# Altium PCB GL3520 4 Ports.PcbDoc
Units mm, origin at the board's own origin, x right, y up, seen from the top; angles counter-clockwise.
Board outline 60 x 60 mm, 2 copper layers (Top Layer, Bottom Layer), stack 1.569 mm thick; 60 components, 68 nets, 276 pads, 710 vias.
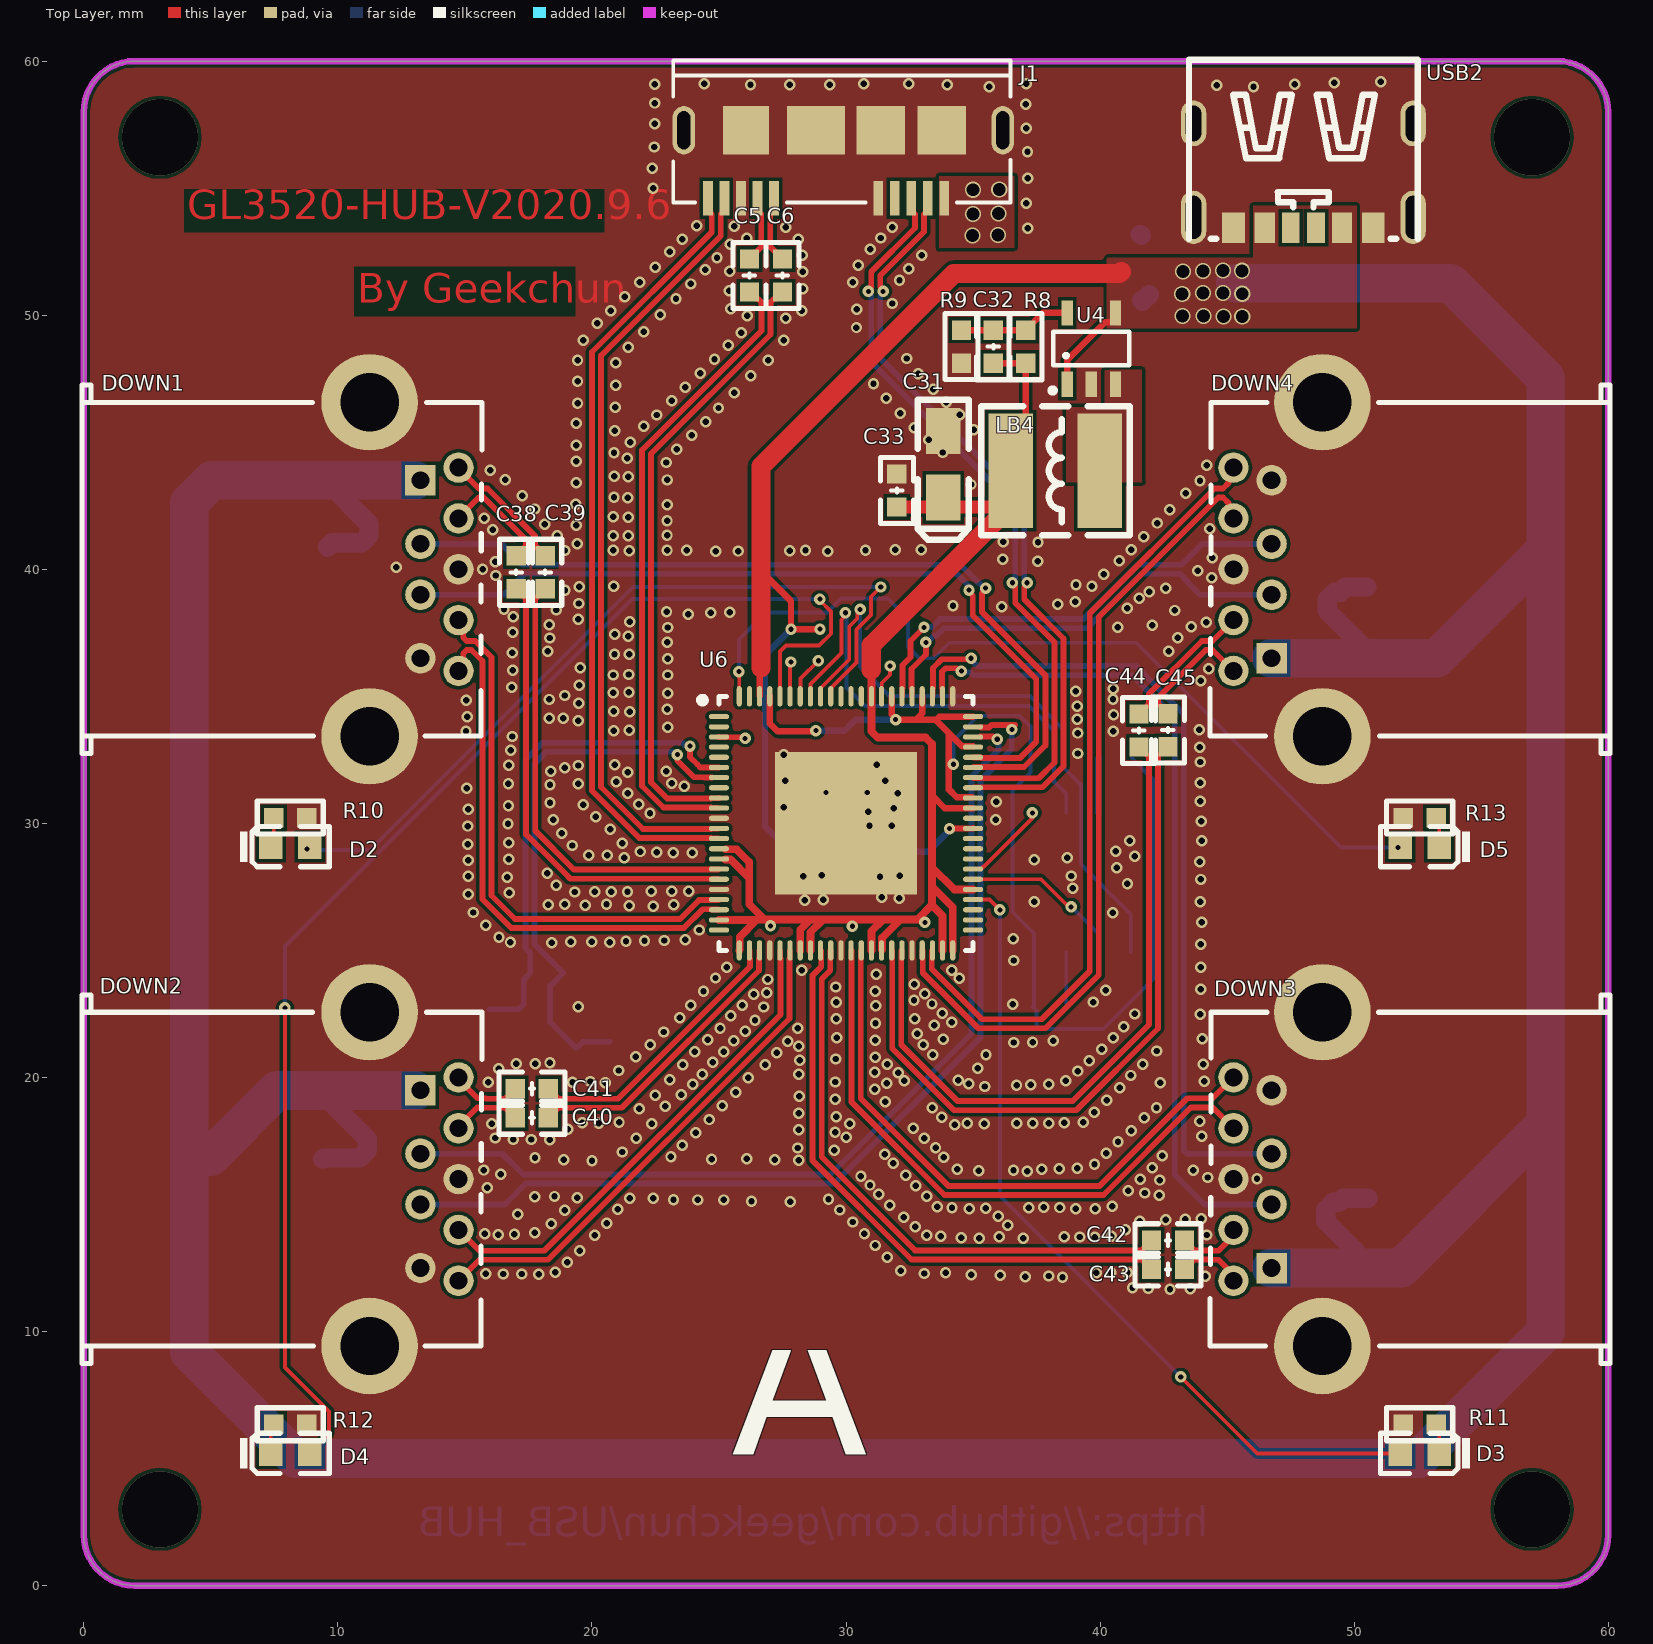
[diagram p0: Top Layer view]
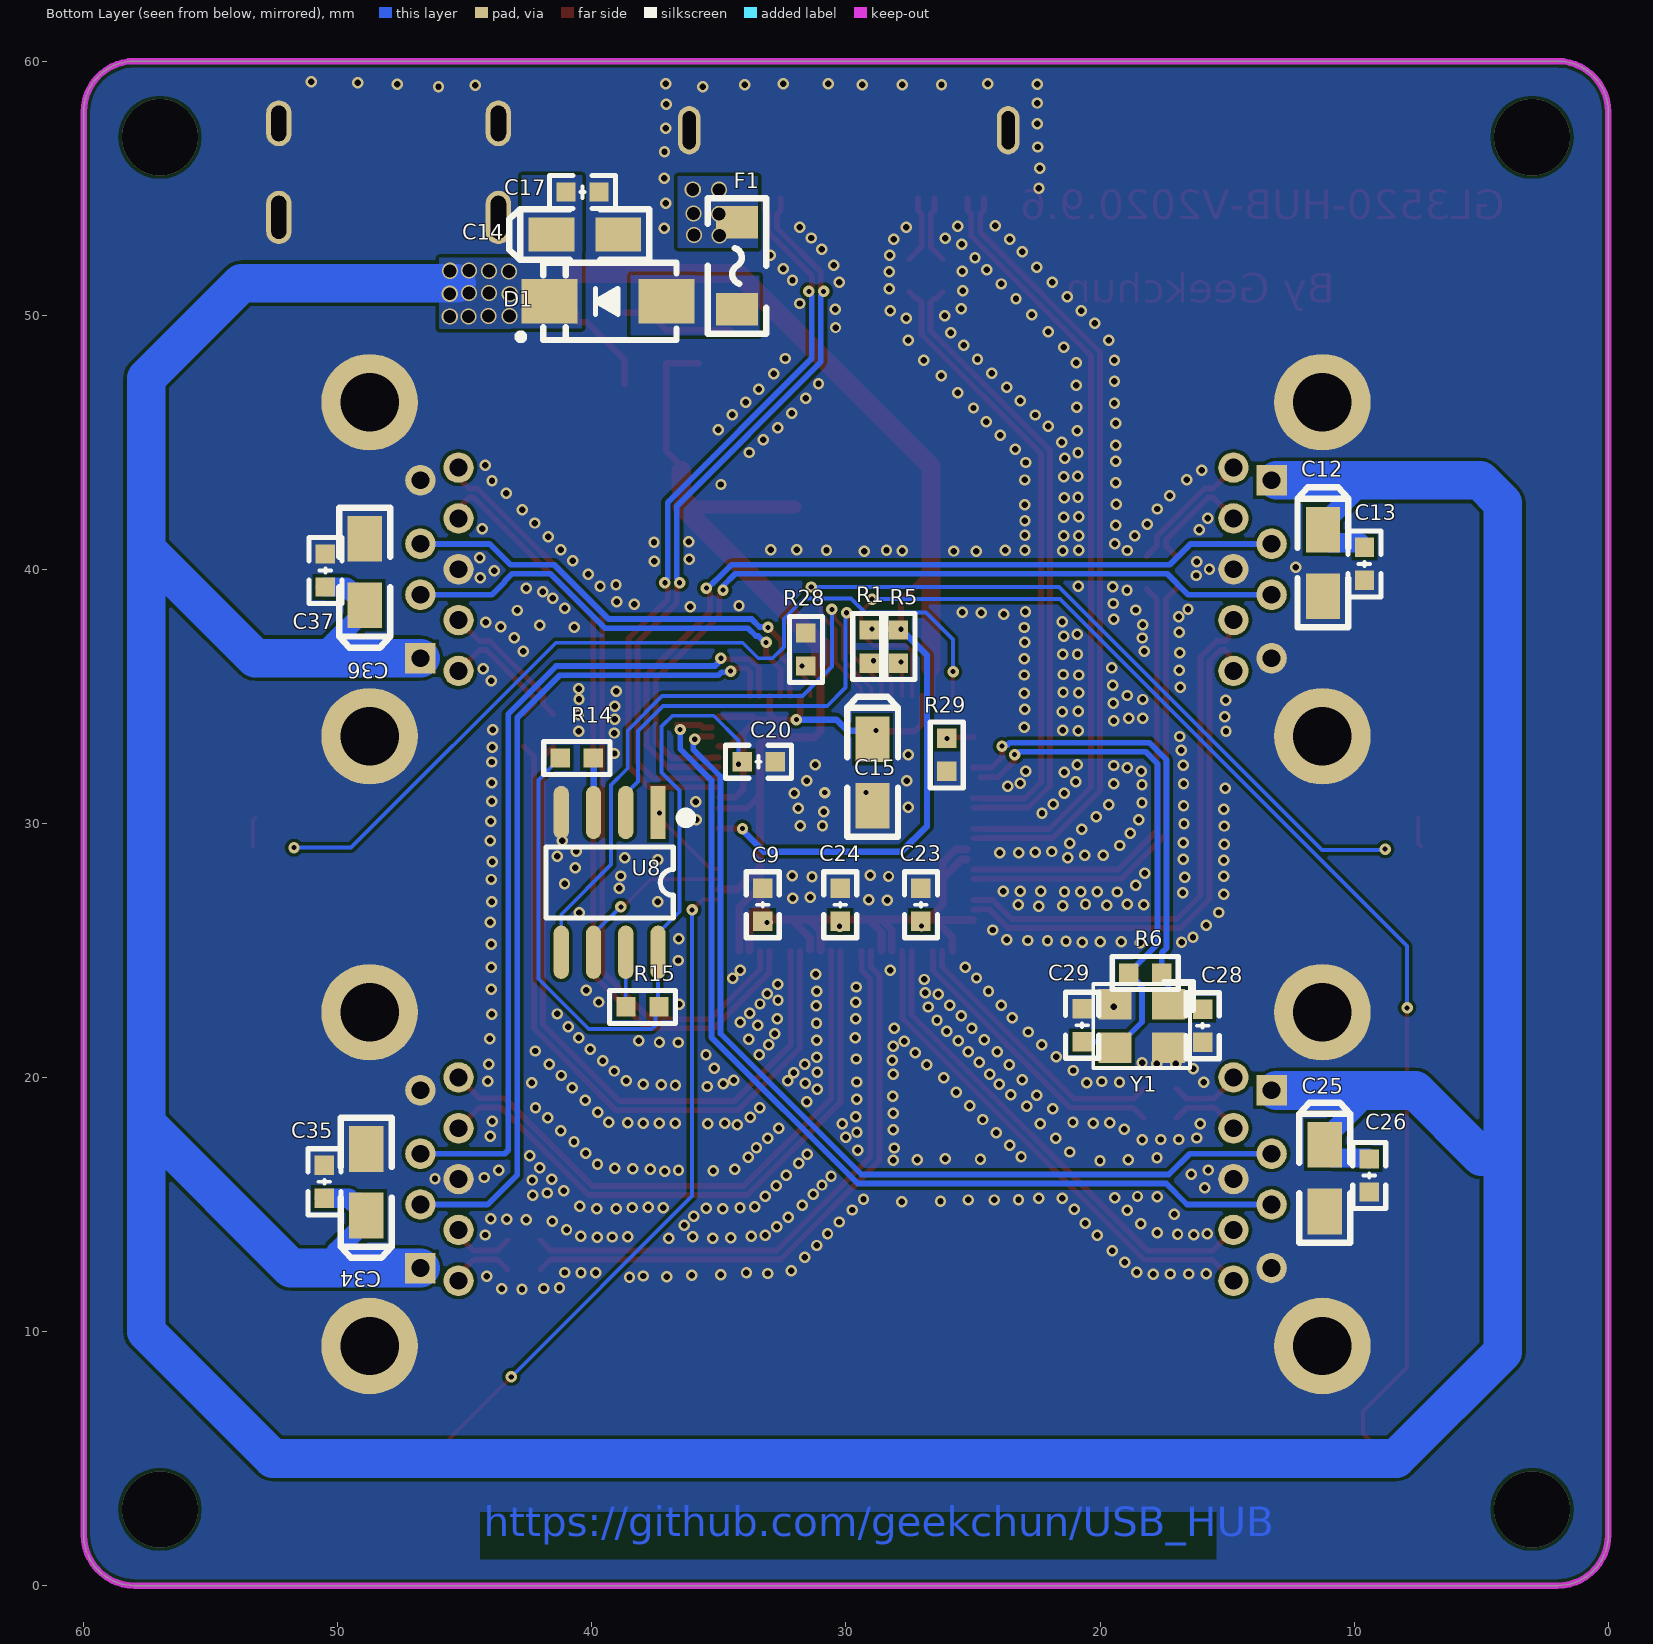
[diagram p1: Bottom Layer view, seen from below]
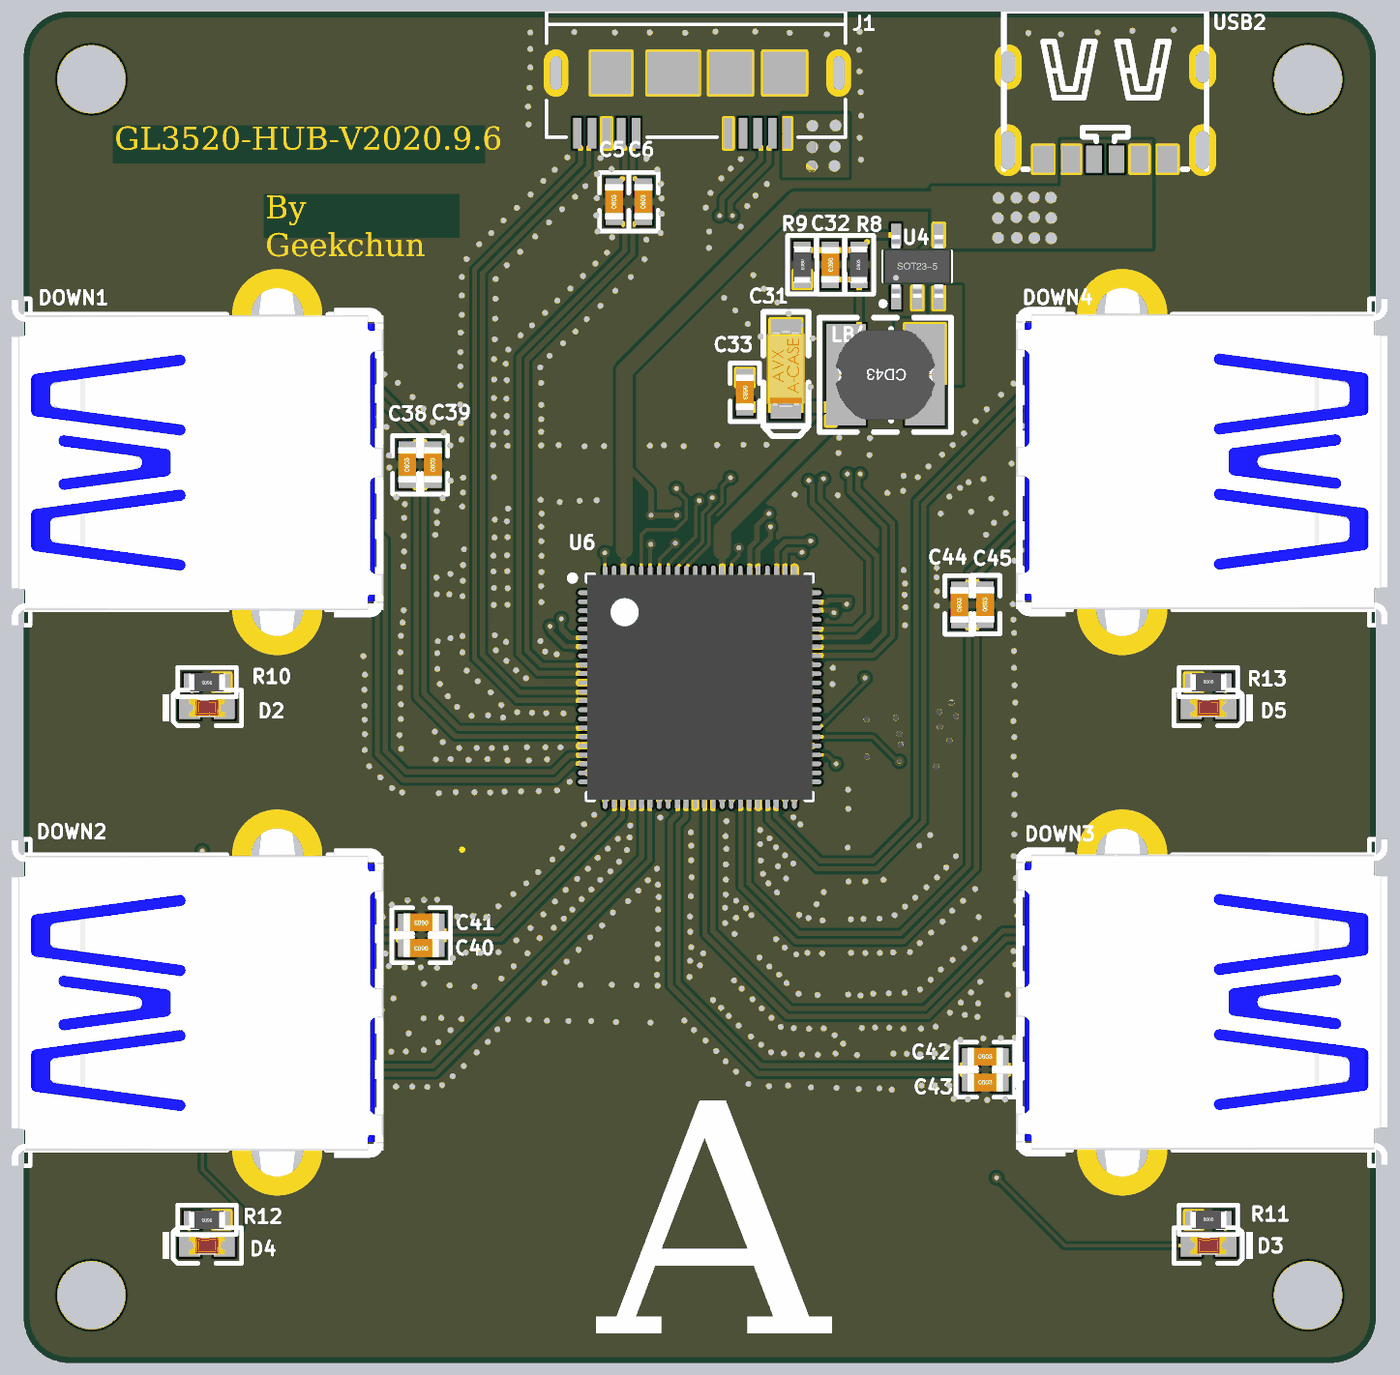
[diagram p2: 3D render of the assembled board from above, using the file's embedded part models]
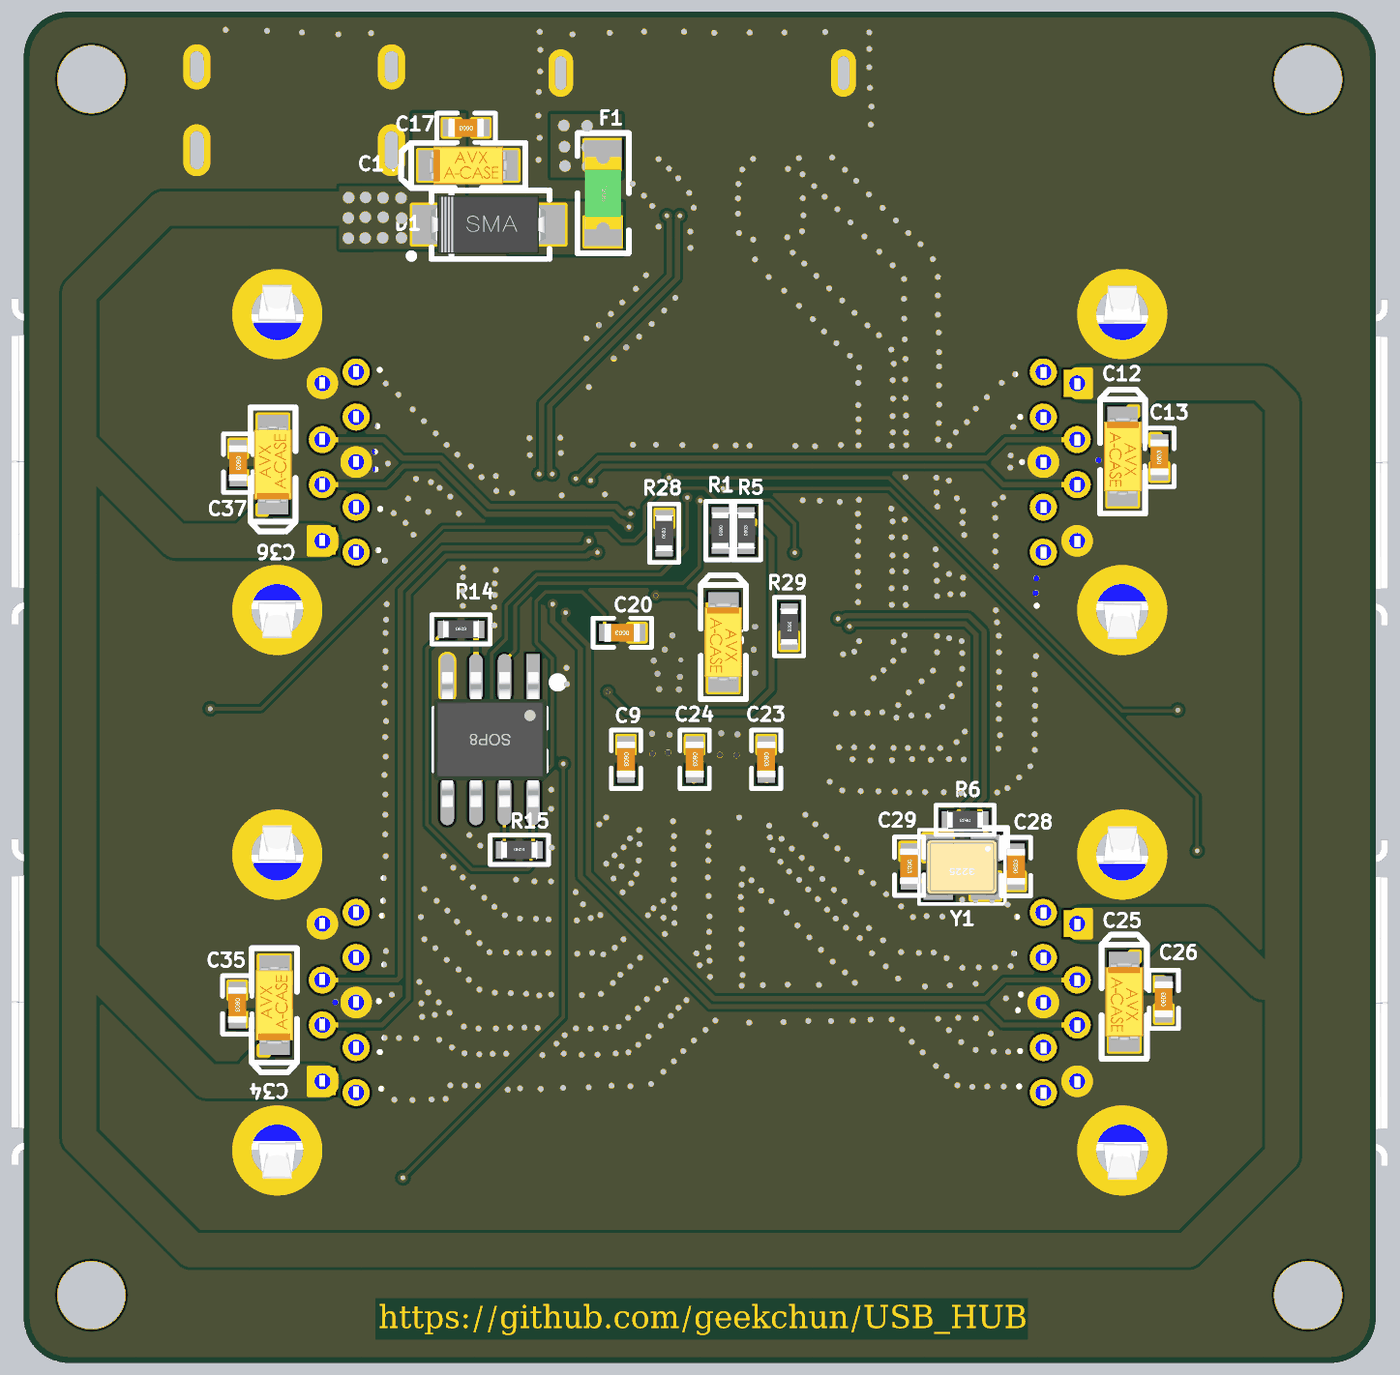
[diagram p3: 3D render of the assembled board from below, using the file's embedded part models]

## Layer stack, top to bottom
Top Solder: solder mask 0.0254, SM-001, Dk 4
Top Layer: signal copper 0.035
Dielectric 1: core 1.4986, Core-043, Dk 4.3
Bottom Layer: signal copper 0.035
Bottom Solder: solder mask 0.0254, SM-001, Dk 4

## Board outline
0,2 0,58 cw(c2,58) 2,60 58,60 cw(c58,58) 60,58 60,2 cw(c58,2) 58,0 2,0 cw(c2,2)

## Design rules (kind name [scope] priority, off if disabled: settings)
Clearance [All] p1: gap=0.127 ignorepadtopadclearanceinfootprint=FALSE
DiffPairsRouting [All] p1: maxlimit=0.127 minlimit=0.127 mostfreqgap=0.127 toplayer_minwidth=0.229 toplayer_maxwidth=0.229 toplayer_prefwidth=0.229 bottomlayer_minwidth=0.229 bottomlayer_maxwidth=0.229 bottomlayer_prefwidth=0.229 maxuncoupledlength=12.7
PolygonConnect [All] p1: connectstyle=Direct reliefconductorwidth=0.254 reliefentries=4 polygonreliefangle="90 Angle" airgapwidth=0.254
RoutingVias [All] p1: holewidth=0.2 width=0.45 viastyle="Through Hole" minholewidth=0.2 minwidth=0.45 maxholewidth=0.711 maxwidth=1.27
SolderMaskExpansion [All] p1: expansion=0.102 istentingtop=FALSE
Width [All] p1: maxlimit=1.524 minlimit=0.152 preferedwidth=0.254 minimp=50.000000 maximp=50.000000 favimp=50.000000
29 further rules are at their usual default settings.

## Classes and differential pairs
differential pair NewDifferentialPair21: +X1 -X2
differential pair NewDifferentialPair20: +NetC5_2 -NetC6_2
differential pair NewDifferentialPair19: +UP_TXP -UP_TXN
differential pair NewDifferentialPair18: +UP_RXP -UP_RXN
differential pair NewDifferentialPair17: +UP_DP -UP_DN
differential pair NewDifferentialPair16: +NetC45_2 -NetC44_2
differential pair NewDifferentialPair15: +NetC43_2 -NetC42_2
differential pair NewDifferentialPair14: +NetC41_2 -NetC40_2
differential pair NewDifferentialPair13: +NetC39_2 -NetC38_2
differential pair NewDifferentialPair12: +DP4_TXP -DP4_TXN
differential pair NewDifferentialPair11: +DP4_RXP -DP4_RXN
differential pair NewDifferentialPair10: +DP4_DP -DP4_DN
differential pair NewDifferentialPair9: +DP3_TXP -DP3_TXN
differential pair NewDifferentialPair8: +DP3_RXP -DP3_RXN
differential pair NewDifferentialPair7: +DP3_DP -DP3_DN
differential pair NewDifferentialPair6: +DP2_TXP -DP2_TXN
differential pair NewDifferentialPair5: +DP2_RXP -DP2_RXN
differential pair NewDifferentialPair4: +DP2_DP -DP2_DN
differential pair NewDifferentialPair3: +DP1_TXP -DP1_TXN
differential pair NewDifferentialPair2: +DP1_RXP -DP1_RXN
differential pair NewDifferentialPair1: +DP1_DP -DP1_DN

## Components (designator, comment, footprint, x,y, rotation, side; value= is the part's Value field where it differs from the comment)
C5 "0.1uF" "C 0603_L" 26.2,51.562 r90 top
C6 "0.1uF" "C 0603_L" 27.5,51.562 r90 top
C9 "0.1uF" "C 0603_L" 33.274,26.797 r270 bottom
C12 "10uF" CASE-A_3216 11.229,40.246 r90 bottom
C13 "0.1uF" "C 0603_L" 9.596,40.211 r90 bottom
C14 "10uF" CASE-A_3216 40.277,53.175 r0 bottom
C15 "10uF" CASE-A_3216 28.956,32.004 r90 bottom
C17 "0.1uF" "C 0603_L" 40.371,54.846 r0 bottom
C20 "0.1uF" "C 0603_L" 33.439,32.423 r0 bottom
C23 "0.1uF" "C 0603_L" 27.051,26.797 r270 bottom
C24 "0.1uF" "C 0603_L" 30.226,26.797 r270 bottom
C25 "10uF" CASE-A_3216 11.161,16.038 r90 bottom
C26 "0.1uF" "C 0603_L" 9.406,16.139 r90 bottom
C28 "12pF" "C 0603_L" 15.963,22.033 r90 bottom
C29 "12pF" "C 0603_L" 20.705,22.053 r270 bottom
C31 "10uF" CASE-A_3216 33.823,44.135 r270 top
C32 "20pF" "C 0603_L" 35.799,48.76 r270 top
C33 "0.1uF" "C 0603_L" 32.001,43.099 r270 top
C34 "10uF" CASE-A_3216 48.882,15.875 r270 bottom
C35 "0.1uF" "C 0603_L" 50.528,15.893 r270 bottom
C36 "10uF" CASE-A_3216 48.943,39.891 r270 bottom
C37 "0.1uF" "C 0603_L" 50.488,39.952 r270 bottom
C38 "0.1uF" "C 0603_L" 17.018,39.878 r90 top
C39 "0.1uF" "C 0603_L" 18.161,39.878 r90 top
C40 "0.1uF" "C 0603_L" 17.638,18.415 r180 top
C41 "0.1uF" "C 0603_L" 17.638,19.558 r180 top
C42 "0.1uF" "C 0603_L" 42.672,13.589 r0 top
C43 "0.1uF" "C 0603_L" 42.672,12.446 r0 top
C44 "0.1uF" "C 0603_L" 41.529,33.655 r90 top
C45 "0.1uF" "C 0603_L" 42.672,33.67 r90 top
D1 "1N5822" SMA 39.37,50.546 r0 bottom
D2 "蓝灯 0603" 0603_LED_S1 8.128,29.083 r0 top
D3 "蓝灯 0603" 0603_LED_S1 52.578,5.207 r180 top
D4 "蓝灯 0603" 0603_LED_S1 8.128,5.207 r0 top
D5 "蓝灯 0603" 0603_LED_S1 52.578,29.083 r180 top
DOWN1 "USB3-A Device" "USB3.0-2 - duplicate" 13,40 r270 top
DOWN2 "USB3-A Device" "USB3.0-2 - duplicate" 13,16 r270 top
DOWN3 "USB3-A Device" "USB3.0-2 - duplicate" 47,16 r90 top
DOWN4 "USB3-A Device" "USB3.0-2 - duplicate" 47,40 r90 top
F1 "Fuse" "FU 1206" 34.29,51.943 r270 bottom
J1 "Micro_USB_CONN" MicroUSB-B-S_D 29.834,56.927 r180 top
LB4 "10uH" CD43 38.24,43.876 r180 top
R1 "100K" "R 0603_L" 29.083,36.957 r270 bottom
R5 "10K" "R 0603_L" 27.94,36.957 r90 bottom
R6 "1M" "R 0603_L" 18.223,24.107 r0 bottom
R8 "100K" "R 0603_L" 37.069,48.76 r90 top
R9 "100K" "R 0603_L" 34.547,48.763 r270 top
R10 "2K" "R 0603_L" 8.128,30.226 r180 top
R11 "2K" "R 0603_L" 52.578,6.35 r0 top
R12 "2K" "R 0603_L" 8.128,6.35 r180 top
R13 "2K" "R 0603_L" 52.578,30.226 r0 top
R14 "10K" "R 0603_L" 40.594,32.57 r180 bottom
R15 "10K" "R 0603_L" 38.009,22.776 r180 bottom
R28 "100K" "R 0603_L" 31.577,36.843 r90 bottom
R29 "680R" "R 0603_L" 26.032,32.695 r270 bottom
U4 "AUR9713" SOT23-5L 39.657,48.687 r0 top
U6 "GL3520_QFN88_V094-1_22" QFN88 30,30 r0 top
U8 "PM25LD512" SOP8_M 39.301,27.676 r270 bottom
USB2 "TYPE-C-6P" "TYPE-C-SMD_TYPE-C-31-M-16 - duplicate" 48,55.499 r180 top
Y1 "25MHZ" "OSC 3225-4P" 18.366,22.023 r0 bottom

## Footprints (in the part's own frame and the unit in brackets; to place one, negate y for a bottom-side part, rotate by r counter-clockwise, add the part's x,y. Pads: shape width x height; smd on the part's side, far side on the other; paste and mask are expansions set on the pad)
0603_LED_S1 [mm]
  rect 0.93x0.98 smd: A(0.77,0) K(-0.77,0)
  silkscreen extent -1.97,-0.79 1.54,0.79, body extent -0.8,-0.4 0.8,0.4, height 0.6
"C 0603_L" [mil] "无极性贴片电容"
  rect 30x30 smd: 1(-25.59,0) 2(25.59,0)
  silkscreen extent -51,-26 51,26, body extent -31,-16 31,16, height 32
CASE-A_3216 [mm]
  rect 1.8x1.35 smd: 1(1.31,0) 2(-1.31,0)
  silkscreen extent -2.54,-1 2.97,1, body extent -1.7,-0.84 1.7,0.84, height 1.71
CD43 [mm] "4.5*4*3.2mm（长宽高）"
  rect 1.75x4.5 smd: 1(-1.75,0) 2(1.75,0)
  silkscreen extent -2.92,-2.54 2.92,2.54, body extent -2.21,-2 2.21,2, height 3.3
"FU 1206" [mil] "贴片保险丝"
  rect 50x65 smd: 1(-67.5,0) 2(67.5,0)
  silkscreen extent -105,-45 105,45, body extent -63,-32 63,32, height 34
MicroUSB-B-S_D [mm]
  rect 0.381x1.346 smd: 1(-4.035,2.325) 2(-3.385,2.325) 3(-2.735,2.325) 4(-2.085,2.325) 5(-1.435,2.325) 6(2.665,2.325) 7(3.315,2.325) 8(3.965,2.325) 9(4.615,2.325) 10(5.265,2.325)
  oval 0.889x1.9 hole 0.508 slot 1.5 at 90 deg: G1(-6.335,-0.35) G2(6.215,-0.35)
  rect 1.905x1.905 smd: G3(-3.935,-0.35) G4(-1.535,-0.35)
  rect 2.286x1.905 smd: G5(1.015,-0.35)
  rect 1.803x1.905 smd: G6(3.765,-0.35)
  silkscreen extent -6.64,-3.1 6.63,2.5
"OSC 3225-4P" [mm] "3.2*2.5*0.7mm(长宽高)"
  rect 1.3x1.2 smd: 1(-1.05,-0.85) 2(1.05,-0.85) 3(1.05,0.85) 4(-1.05,0.85)
  silkscreen extent -2.03,-1.75 1.91,1.65, body extent -1.6,-1.25 1.6,1.25, height 0.7
QFN88 [mm] "PQFN, 88-Leads, Body 10.00x10.00mm, Pitch 0.40mm, Thermal Pad 5.60x5.60mm, IPC Medium Density"
  oval 0.8x0.2 smd: 1(-5,4.2) 2(-5,3.8) 3(-5,3.4) 4(-5,3) 5(-5,2.6) 6(-5,2.2) 7(-5,1.8) 8(-5,1.4) 9(-5,1) 10(-5,0.6) 11(-5,0.2) 12(-5,-0.2) 13(-5,-0.6) 14(-5,-1) 15(-5,-1.4) 16(-5,-1.8) 17(-5,-2.2) 18(-5,-2.6) 19(-5,-3) 20(-5,-3.4) 21(-5,-3.8) 22(-5,-4.2) 45(5,-4.2) 46(5,-3.8) 47(5,-3.4) 48(5,-3) 49(5,-2.6) 50(5,-2.2) 51(5,-1.8) 52(5,-1.4) 53(5,-1) 54(5,-0.6) 55(5,-0.2) 56(5,0.2) 57(5,0.6) 58(5,1) 59(5,1.4) 60(5,1.8) 61(5,2.2) 62(5,2.6) 63(5,3) 64(5,3.4) 65(5,3.8) 66(5,4.2)
  oval 0.2x0.8 smd: 23(-4.2,-5) 24(-3.8,-5) 25(-3.4,-5) 26(-3,-5) 27(-2.6,-5) 28(-2.2,-5) 29(-1.8,-5) 30(-1.4,-5) 31(-1,-5) 32(-0.6,-5) 33(-0.2,-5) 34(0.2,-5) 35(0.6,-5) 36(1,-5) 37(1.4,-5) 38(1.8,-5) 39(2.2,-5) 40(2.6,-5) 41(3,-5) 42(3.4,-5) 43(3.8,-5) 44(4.2,-5) 67(4.2,5) 68(3.8,5) 69(3.4,5) 70(3,5) 71(2.6,5) 72(2.2,5) 73(1.8,5) 74(1.4,5) 75(1,5) 76(0.6,5) 77(0.2,5) 78(-0.2,5) 79(-0.6,5) 80(-1,5) 81(-1.4,5) 82(-1.8,5) 83(-2.2,5) 84(-2.6,5) 85(-3,5) 86(-3.4,5) 87(-3.8,5) 88(-4.2,5)
  rect 5.6x5.6 smd: G1(0,0)
  silkscreen extent -5.77,-5 5,5, body extent -5,-5 5,5, height 1
"R 0603_L" [mil] "1/10W贴片电阻"
  rect 30x30 smd: 1(-25.59,0) 2(25.59,0)
  silkscreen extent -51,-26 51,26, body extent -31,-16 31,16, height 16
SMA [mm] "4.5x2.6*2.2mm（长宽高，不包括引脚）"
  rect 2.2x1.75 smd: 1(-2.3,0) 2(2.3,0)
  silkscreen extent -2.7,-1.52 3.56,1.52, body extent -2.52,-1.3 2.57,1.3, height 2.15
SOP8_M [mm] "5*6*1.8mm（长宽高）"
  rect 2.1x0.6 smd: 1(-2.75,1.905)
  oval 2.1x0.6 smd: 2(-2.75,0.635) 3(-2.75,-0.635) 4(-2.75,-1.905) 5(2.75,-1.905) 6(2.75,-0.635) 7(2.75,0.635) 8(2.75,1.905)
  silkscreen extent -2.69,-2.5 1.4,3.15, body extent -3,-2.5 3,2.5, height 1.9
SOT23-5L [mm] "3x1.6x1.1mm(长宽高)"
  rect 0.45x1 smd: 1(-0.95,-1.4) 2(0,-1.4) 3(0.95,-1.4) 4(0.95,1.4) 5(-0.95,1.4)
  silkscreen extent -1.6,-1.73 1.5,0.66, body extent -1.5,-1.4 1.5,1.4, height 1.15
"TYPE-C-SMD_TYPE-C-31-M-16 - duplicate" [mm]
  rect 0.7x1.2 smd: A5(-0.5,2.05) B5(0.5,2.05)
  rect 0.8x1.2 smd: A9(1.52,2.05) B9(-1.52,2.05)
  rect 0.9x1.2 smd: A12(2.75,2.05) B12(-2.75,2.05)
  oval 1x2.099 hole 0.6 slot 1.7 at 90 deg: MH1(-4.32,1.65) MH2(4.32,1.65)
  oval 1x1.799 hole 0.6 slot 1.4 at 90 deg: MH3(-4.32,-2.05) MH4(4.32,-2.05)
  silkscreen extent -4.5,-4.55 4.5,2.49
"USB3.0-2 - duplicate" [mm] "Connector; USB1.1, Type A, Thru-Hole; 4 Position; Right Angle"
  rect 1.2x1.2 hole 0.7: 1(-3.5,0.25)
  round 1.2 hole 0.7: 2(-1,0.25) 3(1,0.25) 4(3.5,0.25) 5(4,1.75) 6(2,1.75) 7(0,1.75) 8(-2,1.75) 9(-4,1.75)
  round 3.8 hole 2.3: G1(-6.57,-1.75) G2(6.57,-1.75)
  silkscreen extent -7.25,-13.07 7.25,2.67, body extent -7.83,-13.54 7.87,2.96, height 7.77
